# Altium PCB controllerboard 3.PcbDoc (continued)
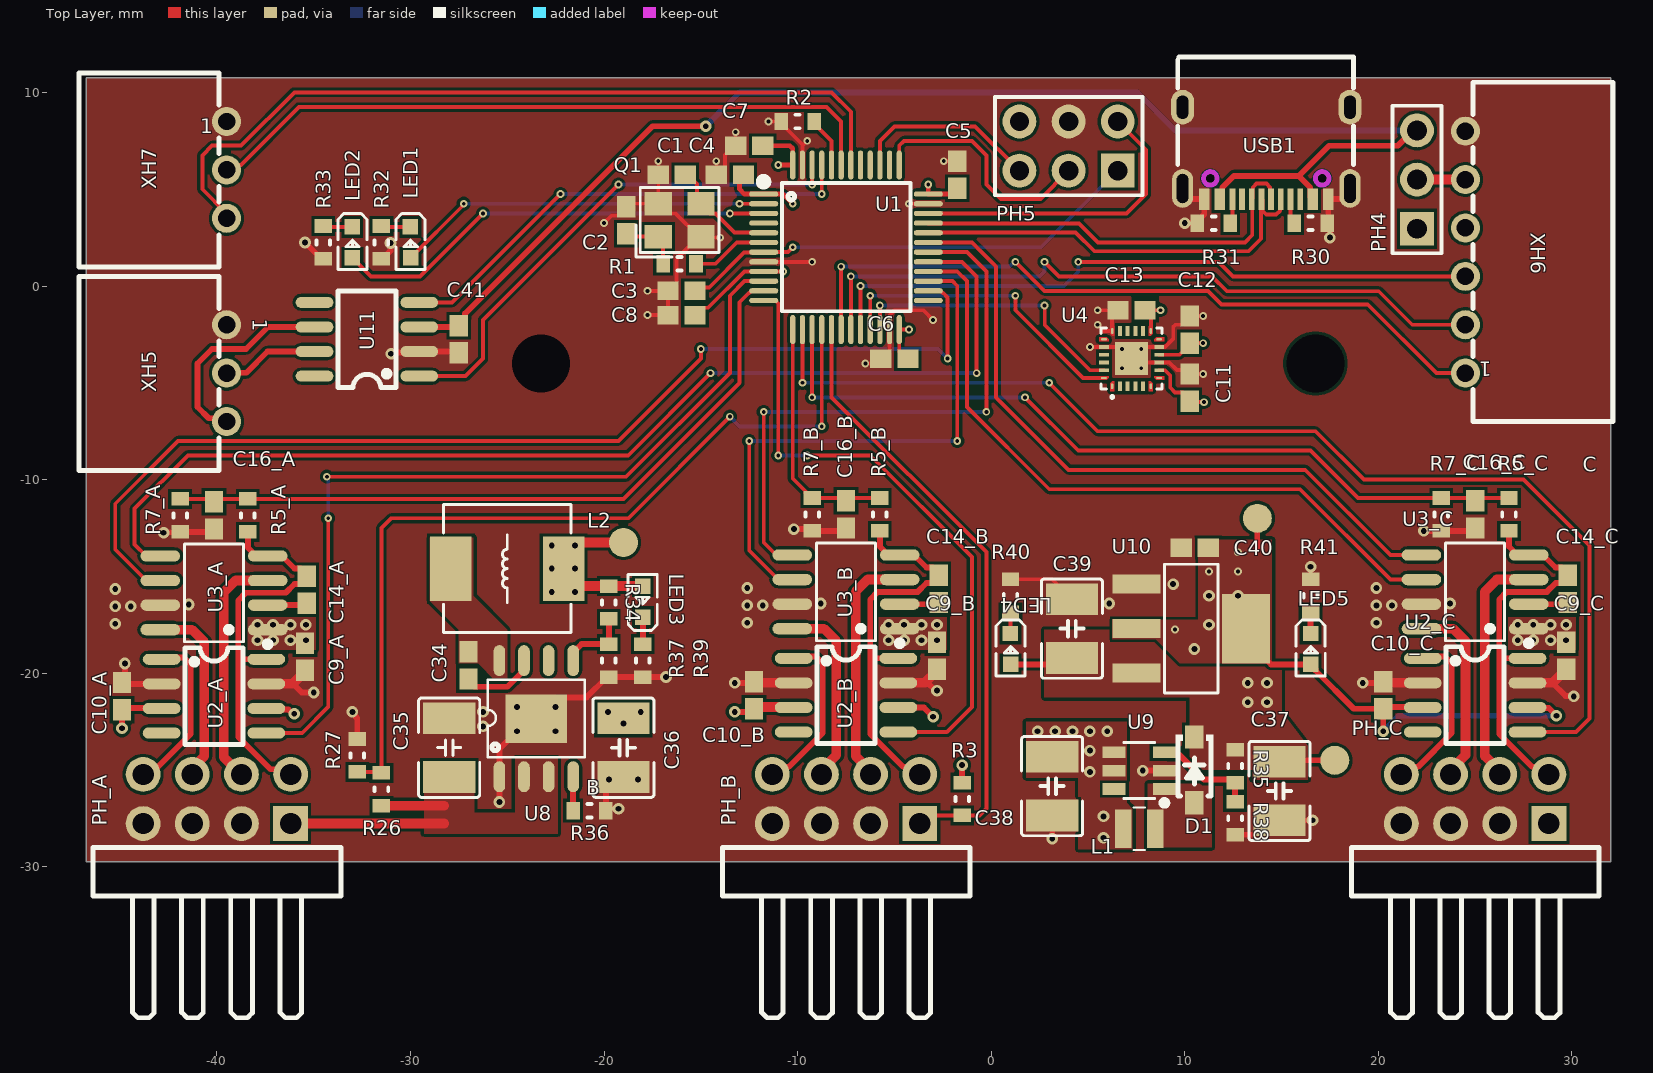
[diagram p0: Top Layer view]
## Footprints (in the part's own frame and the unit in brackets; to place one, negate y for a bottom-side part, rotate by r counter-clockwise, add the part's x,y. Pads: shape width x height; smd on the part's side, far side on the other; paste and mask are expansions set on the pad) (continued)
  oval 0.27x1.5 smd paste+0 mask+0.05: 1(-2.75,-4.25) 2(-2.25,-4.25) 3(-1.75,-4.25) 4(-1.25,-4.25) 5(-0.75,-4.25) 6(-0.25,-4.25) 7(0.25,-4.25) 8(0.75,-4.25) 9(1.25,-4.25) 10(1.75,-4.25) 11(2.25,-4.25) 12(2.75,-4.25) 25(2.75,4.25) 26(2.25,4.25) 27(1.75,4.25) 28(1.25,4.25) 29(0.75,4.25) 30(0.25,4.25) 31(-0.25,4.25) 32(-0.75,4.25) 33(-1.25,4.25) 34(-1.75,4.25) 35(-2.25,4.25) 36(-2.75,4.25)
  oval 1.5x0.27 smd paste+0 mask+0.05: 13(4.25,-2.75) 14(4.25,-2.25) 15(4.25,-1.75) 16(4.25,-1.25) 17(4.25,-0.75) 18(4.25,-0.25) 19(4.25,0.25) 20(4.25,0.75) 21(4.25,1.25) 22(4.25,1.75) 23(4.25,2.25) 24(4.25,2.75) 37(-4.25,2.75) 38(-4.25,2.25) 39(-4.25,1.75) 40(-4.25,1.25) 41(-4.25,0.75) 42(-4.25,0.25) 43(-4.25,-0.25) 44(-4.25,-0.75) 45(-4.25,-1.25) 46(-4.25,-1.75) 47(-4.25,-2.25) 48(-4.25,-2.75)
  silkscreen extent -3.59,-4.46 3.3,3.34, body extent -4.5,-4.5 4.5,4.5, height 1.45
TJA1050T/CM,118 [mil]
  oval 22.38x76.78 smd: 1(-75,-106.5) 2(-25,-106.5) 3(25,-106.5) 4(75,-106.5) 5(75,106.5) 6(25,106.5) 7(-25,106.5) 8(-75,106.5)
  silkscreen extent -98,-59 98,59, body extent -96,-120 96,120, height 71
UCC27282DR [mm] "Half Bridge 2 MOSFET 2.5A 12ns 10ns 5.5V~16V 3.5A SOIC-8 Gate Drivers ROHS"
  oval 0.588x2.045 smd: 1(-1.905,-2.772) 2(-0.635,-2.772) 3(0.635,-2.772) 4(1.905,-2.772) 5(1.905,2.772) 6(0.635,2.772) 7(-0.635,2.772) 8(-1.905,2.772)
  silkscreen extent -2.8,-2.92 2.53,1.52, body extent -2.45,-3.05 2.45,3.05, height 1.8
USB_C [mm] "TYPE-C 16PIN 2MD(073)"
  rect 0.55x1.1 smd paste-100 mask+0.05: 1(-2.912,3.511) 2(-2.112,3.511) 11(2.688,3.511) 12(3.488,3.511)
  rect 0.3x1.1 smd paste-100 mask+0.05: 3(-1.462,3.511) 4(-0.962,3.511) 5(-0.462,3.511) 6(0.038,3.511) 7(0.538,3.511) 8(1.038,3.511) 9(1.538,3.511) 10(2.038,3.511)
  oval 1.1x2 hole 0.6 slot 1.5 at 90 deg paste-2539.97 mask+0.05: 13(-4.037,2.961) 14(4.613,2.961)
  oval 1.2x1.8 hole 0.6 slot 1.2 at 90 deg paste-2539.97 mask+0.05: 13(-4.037,-1.239) 14(4.613,-1.239)
  Keep-Out Layer board cut-out: 3.528,2.441 3.479,2.613 3.351,2.739 3.178,2.784 3.005,2.739 2.877,2.613 2.828,2.441 2.828,2.441 2.877,2.268 3.005,2.143 3.178,2.097 3.351,2.143 3.479,2.268 3.528,2.441
  Keep-Out Layer board cut-out: -2.252,2.441 -2.301,2.613 -2.429,2.739 -2.602,2.784 -2.775,2.739 -2.903,2.613 -2.952,2.441 -2.952,2.441 -2.903,2.268 -2.775,2.143 -2.602,2.097 -2.429,2.143 -2.301,2.268 -2.252,2.441
  Multi-Layer keep-out circle w0.254: c3.178,2.441 r0.35
  Multi-Layer keep-out circle w0.254: c-2.602,2.441 r0.35
  silkscreen extent -4.21,-3.84 4.86,1.73, body extent -4.17,-3.82 4.77,3.76, height 0.51
WHITE_0603 [mm] "20mA 780mcd Yellow lens -20?~+85? Positive Stick White 130° 70mW 3.3V 0603 LED Indication - Discrete ROHS"
  rect 0.8x0.8 smd: 1(-0.799,-0.003) 2(0.799,0.003)
  silkscreen extent -1.49,-0.75 1.39,0.76, body extent -0.81,-0.4 0.81,0.41, height 0.61
XY-XHB2.54-3A21 [mm] "1x3P 3P 1 2.54mm 2.54mm 3 -25?~+85? 2A Bend-in Push-Pull,P=2.54mm Wire To Board Connector ROHS"
  round 1.5 hole 0.9 paste-2539.97 mask+0.05: 1(-2.5,0) 2(0,0) 3(2.5,0)
  silkscreen extent -5,-7.63 5.03,-0.38, body extent -5.01,-7.4 5,0.34, height 6.4
XY-XHB2.54-6A21 [mm] "1x6P 6P 1 2.54mm 2.54mm 6 -25?~+85? 2A Bend-in Push-Pull,P=2.54mm Wire To Board Connector ROHS"
  round 1.5 hole 0.9 paste-2539.97 mask+0.05: 1(-6.25,0) 2(-3.75,0) 3(-1.25,0) 4(1.25,0) 5(3.75,0)
  round 1.5 hole 0.9 copper offset 0,0 paste-2539.97 mask+0.05: 6(6.25,0)
  silkscreen extent -8.75,-7.63 8.78,-0.38, body extent -8.76,-7.4 8.75,0.34, height 6.4

## Part data
C1 C2 C3 C4 C5 C6 C7 C8 C9_A C9_B C9_C C10_A C10_B C10_C C11 C12 C13 C14_A C14_B C14_C C16_A C16_B C16_C C34 C40 C41: library part CAP_0603, "Multilayer Ceramic Capacitors MLCC - SMD/SMT ROHS", Package=0603
  C34: ClassName=DCDC100
  C40: ClassName=LINREG
C35: "100V 4.7uF X7R ±10% 1210 Multilayer Ceramic Capacitors MLCC - SMD/SMT ROHS", LCSC=C381466, Mfr.="PSA(Prosperity Dielectrics)", Mfr. Part=FS32X475K101EGG, Package=1210, Voltage Rating=100V, ClassName=DCDC100
C36 C37 C38 C39: library part CAP_1210, "16V 47uF X5R ±10% 1210 Multilayer Ceramic Capacitors MLCC - SMD/SMT ROHS", LCSC=C77101, Mfr.="Murata Electronics", Mfr. Part=GRM32ER61C476KE15L, Package=1210, Voltage Rating=16V
  C36: ClassName=DCDC100
  C37 C38: ClassName=DCDC5
  C39: ClassName=LINREG
D1: "30V 1A 350mV@100mA SOD-123 Schottky Diodes ROHS", LCSC=C917121, Mfr.=JSMSEMI, ClassName=DCDC5, Mfr. Part=NRVB130T1G
L1: "2A 4.7uH Integrated molded inductor ±20% 2.6A SMD,2x2.5mm Power Inductors ROHS", LCSC=C5832360, Mfr.="cjiang (Changjiang Microelectronics Tech)", Mfr. Part=FTC252010S4R7MBCA, Package=SMD,2x2.5mm, ClassName=DCDC5
L2: library part IND_68u, "1.5A 68uH Integrated molded inductor ±20% 2A SMD,6.6x7.1mm Power Inductors ROHS", LCSC=C2894721, Mfr.="SXN(Shun Xiang Nuo Elec)", Mfr. Part=SMMS0650-680M, Package=SMD,6.6x7.1mm, ClassName=DCDC100
LED1: "20mA 780mcd Yellow lens -20℃~+85℃ Positive Stick White 130° 70mW 3.3V 0603 LED Indication - Discrete ROHS", LCSC=C965810, Mfr.=XINGLIGHT, Mfr. Part=XL-1608WWC-06, Package=0603
LED2: "20mA 330mcd Colorless Transparent Lens -20℃~+85℃ Positive Stick 620nm~630nm Red 120° 50mW 2.3V 0603 LED Indication - Discrete ROHS", LCSC=C965799, Mfr.=XINGLIGHT, Mfr. Part=XL-1608SURC-06, Package=0603
LED3 LED4 LED5: "20mA 810mcd Colorless Transparent Lens Independent Diode 515nm~535nm -20℃~+85℃ Positive Stick Emerald 120° 70mW 3.3V 0603 LED Indication - Discrete ROHS", LCSC=C965804, Mfr.=XINGLIGHT, Mfr. Part=XL-1608UGC-04, Package=0603
PH4: library part PH_1x3, "2.54mm Pin Headers", LCSC=C49257, Mfr.="BOOMELE(Boom Precision Elec)", Mfr. Part=2.54-1*3P, Package=Plugin,P=2.54mm
PH5: "2.54mm Pin Headers"
PH_A PH_B PH_C: library part PH_2x4_M, "Policy 2.5mm 8P 6mm -40℃~+105℃ 2.54mm Double Row Black Brass 2x4P Push-Pull,P=2.54mm Pin Headers ROHS", LCSC=C7501618, Mfr.=XUNPU, Mfr. Part=PH2.54-07-04PWS
  PH_A: ClassName=A
  PH_B: ClassName=B
  PH_C: ClassName=C
Q1: "Crystal 24Mhz", LCSC=C70590, Manufacturer Part=X322524MOB4SI, ComponentLink1Description=Datasheet, ComponentLink1URL=https://www.lcsc.com/datasheet/lcsc_datasheet_2403291504_YXC-Crystal-Oscillators-X322524MOB4SI_C70590.pdf
R1 R2 R3 R5_A R5_B R5_C R7_A R7_B R7_C R26 R27 R30 R31 R32 R33 R34 R35 R36 R37 R38 R39 R40 R41: library part RES_0603, "100mW Thick Film Resistors", Package=0603
  R34 R36 R37: ClassName=DCDC100
  R35 R38: ClassName=DCDC5
U1: "Mainstream enhanced ARM Cortex-M3 MCU, featuring 128 KB Flash, 72 MHz CPU, motor control, USB, and CAN.", LCSC=C8304, Mfr.=STMicroelectronics, Mfr. Part=STM32F103CBT6
U2_A U2_B U2_C: "-4V~80V Single channel SOIC-8 Current Sense Amplifiers ROHS", LCSC=C2060769, Mfr.="Texas Instruments", Mfr. Part=INA240A1DR
U3_A U3_B U3_C: "Half Bridge 2 MOSFET 2.5A 12ns 10ns 5.5V~16V 3.5A SOIC-8 Gate Drivers ROHS", LCSC=C2867844, Mfr.="Texas Instruments", Mfr. Part=UCC27282DR
U4: "Accelerometer gyroscope QFN-24-EP(3x3) Accelerometers ROHS", LCSC=C50278, Mfr.="TDK InvenSense", Mfr. Part=MPU-6500
U8: "Step-down type 1A 6V~100V SO-8-EP DC-DC Converters ROHS", LCSC=C477928, Mfr.="Texas Instruments", ClassName=DCDC100, Mfr. Part=LM5164DDAR
U9: "2.2V~16V 2.5A SOT-23-6 DC-DC Converters ROHS", LCSC=C2932326, Mfr.="XI'AN Aerosemi Tech", ClassName=DCDC5, Mfr. Part=MT3608L
U10: "1A 60dB@(120Hz) Fixed 3.3V Positive electrode 12V SOT-223 Voltage Regulators - Linear, Low Drop Out (LDO) Regulators ROHS", LCSC=C347222, Mfr.="UMW(Youtai Semiconductor Co., Ltd.)", ClassName=LINREG, Mfr. Part=AMS1117-3.3
U11: "SOP-8 CAN Transceivers ROHS", LCSC=C6952, Mfr.="NXP Semicon", Mfr. Part=TJA1050T/CM,118
USB1: LCSC=C2765186, Mfr.="SHOU HAN", Mfr. Part="TYPE-C 16PIN 2MD(073)", Package=SMD
XH5 XH7: library part XY-XHB2.54-3A21, "1x3P 3P 1 2.54mm 2.54mm 3 -25℃~+85℃ 2A Bend-in Push-Pull,P=2.54mm Wire To Board Connector ROHS", LCSC=C19271396, Mfr.=XYECONN, Mfr. Part=XY-XHB2.54-3A21
XH6: library part XY-XHB2.54-6A21, "1x6P 6P 1 2.54mm 2.54mm 6 -25℃~+85℃ 2A Bend-in Push-Pull,P=2.54mm Wire To Board Connector ROHS", LCSC=C19271399, Mfr.=XYECONN, Mfr. Part=XY-XHB2.54-6A21

## Free pads (board coordinates)
  round 1.5 smd: 1(-19,-13.25) 10(17.75,-24.5) 11(13.75,-12)
  round 0 hole 3: MH(-23.25,-4) MH(16.75,-4)

## Via types
v1: diameter 0.6, hole 0.3, Top Layer to Bottom Layer, 105 vias
v2: diameter 0.4, hole 0.2, Top Layer to Bottom Layer, 72 vias

## Nets (pads, with @x,y where several pads share a name; then routed paths per layer and width w, separated by ;. In a path a pad name is that pad's centre, name@x,y a point inside that pad or via, vN(x,y) a via of type N, cw(c..) or ccw(c..) an arc to the next point about the centre after c; other vN are vias at no path point)
+3V3: C4.2 C5.2 C6.2 C7.2 C8.2 C10_A.2 C10_B.2 C10_C.2 C11.2 C12.2 C13.2 C40.2 LED5.2 pad.11 PH4.1 PH5.6 R3.2 U1.1 U1.9 U1.24 U1.36 U1.48 U2_A.3 U2_A.6 U2_B.3 U2_B.6 U2_C.3 U2_C.6 U4.8 U4.10 U4.13 U10.2 U10.4 | length 59.2
  Top Layer w0.2: C8.2 -14.925,-1.125 -14.625,-1.125 -12.75,0.75 U1.9 v2(-10.75,0.75) ; U1.24 -4.75,-3.375 -4.375,-3.75 C6.2 ; U1.24 v2(-4.25,-2.25) ; C13.2 v2(8.75,-1.25) ; U4.13 C13.2@8.25,-1.55 ; U4.8 8.983,-4.35 9.25,-4.617 9.25,-5.25 9.5,-5.5 9.899,-5.5 10.3,-5.901 C11.2@10.341,-5.901 ; U4.10 9.725,-3.55 10.25,-3.025 C12.2 v2(10.95,-2.95) ; C11.2 10.3,-6 v2(11,-6)
  Top Layer w0.25: C4.2@-13,5.8 -13,5 -12.75,4.75 U1.1 -10.75,4.75 v2(-10.25,4.25) ; C7.2@-12.127,7.25 -10.396,7.25 -10.25,7.104 U1.48 v2(-11,6.25) ; v2(-3.25,5.25) U1.36 C5.2@-2.05,4.75
  Top Layer w0.3: v1(-44.9,-22.85) C10_A.2 ; C10_A.2@-44.9,-21.8 -43.587,-21.8 -43.578,-21.809 -42.887,-21.809 U2_A.3@-42.877,-21.8 ; U2_A.6 -37.394,-21.874 -36.308,-21.874 -36.081,-22.1 v1(-36,-22.1) ; v1(-13.25,-22) -12.413,-22 C10_B.2 ; U2_B.6 -3.478,-21.772 v1(-3,-22.25) ; R3.2 v1(-1.5,-24.75) ; U10.4@13.17,-18.265 14.454,-19.549 LED5.2 16.754,-19.799 16.754,-19.858 18.732,-21.837 C10_C.2 v1(20.25,-23) ; 13.75,-13.5 pad.11 ; C10_C.2@20.25,-21.75 21.563,-21.75 21.572,-21.759 22.263,-21.759 U2_C.3@22.273,-21.75 ; U2_C.6 27.736,-21.803 28.803,-21.803 v1(29.2,-22.2)
  Top Layer w0.5: C10_B.2@-12.25,-21.75 -10.937,-21.75 -10.928,-21.759 -10.237,-21.759 U2_B.3@-10.227,-21.75
  Bottom Layer w0.3: v1(20.25,-23) 21.05,-22.2 v1(29.2,-22.2)
  other v1: 10.5,-18.75 11.25,-17.5 11.25,-16 12.75,-16
  other v2: 9.5,-17.75 11.25,-14.75 12.75,-14.75 12.75,-13.75
+5V: C37.2 C39.2 C41.2 D1.1 LED4.2 pad.10 PH4.3 R35.2 U10.3 U11.3 USB1.2 USB1.11 | length 76.4
  Top Layer w0.3: U11.3 C41.2@-27.565,-2.115 ; C41.2 -27.175,-1.725 -27.175,-1.425 -17.5,8.25 v1(-14.75,8.25) ; LED4.2 C39.2@3.838,-19.549 ; USB1.11 11.937,4.614 11.937,5.088 12.538,5.689 15.886,5.689 ; C37.2 14.967,-24.5 pad.10 ; USB1.2@16.487,4.614 16.487,5.088 15.886,5.689 ; PH4.3 21.79,8.04 21,7.25 17.447,7.25 15.886,5.689
  Bottom Layer w0.3: v1(-14.75,8.25) -13,10 7.553,10 9.514,8.039 PH4.3@21.999,8.039
  other v1: 13.25,-21.5 14.25,-21.5 13.25,-20.5 14.25,-20.5
+12V: C9_A.1 C9_B.1 C9_C.1 C36.2 C38.2 L1.1 L2.2 LED3.2 pad.1 R34.2 U3_A.1 U3_B.1 U3_C.1 U9.4 U9.5 | length 7.9
  Top Layer w0.5: L2.2@-22.087,-14.675 -21.262,-15.5 R34.2 LED3.2 ; L2.2@-22.087,-14.075 -21.262,-13.25 pad.1
  other v1: 5.8,-28.5 5.8,-27.4 5.1,-25.1 5.1,-24 2.4,-23 3.3,-23 4.2,-23 5.1,-23 6,-23 -19,-22.6 -19.8,-22 -18.1,-22 -37.9,-18.3 -37.1,-18.3 -36.2,-18.3 -35.4,-18.3 -5.3,-18.3 -4.5,-18.3 -3.6,-18.3 -2.8,-18.3 27.2,-18.3 28,-18.3 28.9,-18.3 29.7,-18.3 -37.9,-17.5 -37.1,-17.5 -36.2,-17.5 -35.4,-17.5 -5.3,-17.5 -4.5,-17.5 -3.6,-17.5 -2.8,-17.5 27.2,-17.5 28,-17.5 28.9,-17.5 29.7,-17.5 -22.7,-15.8 -21.5,-15.8 -22.7,-14.6 -21.5,-14.6 -22.7,-13.4 -21.5,-13.4
+100V: C35.2 PH_A.1 R26.2 U8.2 U8.3 | length 11.2
  Top Layer w0.5: PH_A.1 -28.25,-27.77 ; R26.2 -28.25,-26.85
BOOT0: R2.2 U1.44 | length 2.5
  Top Layer w0.2: R2.2@-9.15,8.4 -8.25,7.5 U1.44
BST: C34.1 U8.7 | length 3.4
  Top Layer w0.3: C34.1 -27,-20.375 -26.675,-20.7 -24.985,-20.7 U8.7@-24.136,-19.85
CAN_RXD: U1.45 U11.4 | length 24.6
  Top Layer w0.2: U11.4 -27.845,-0.845 v2(-22.25,4.75) ; v2(-8.75,4.75) U1.45
  Bottom Layer w0.2: v2(-22.25,4.75) v2(-8.75,4.75)
CAN_TXD: U1.46 U11.1 | length 26.6
  Top Layer w0.2: U11.1 -27.155,-4.655 -26.25,-3.75 -26.25,-1.75 v2(-19.25,5.25) ; v2(-9.25,5.25) U1.46
  Bottom Layer w0.2: v2(-19.25,5.25) v2(-9.25,5.25)
CANH: U11.6 XH5.3 | length 10.9
  Top Layer w0.3: XH5.3 -39.673,-6.827 -40.423,-6.827 -41,-6.25 -41,-4 -40.25,-3.25 -38.5,-3.25 -37.365,-2.115 U11.6
CANL: U11.7 XH5.2 | length 5
  Top Layer w0.3: XH5.2 -39.476,-4.476 -38.476,-4.476 -37.385,-3.385 U11.7
CC1: R30.1 USB1.4 | length 1.3
  Top Layer w0.2: USB1.4 15.462,3.438 R30.1
CC2: R31.1 USB1.10 | length 1.3
  Top Layer w0.2: R31.1 12.462,3.362 USB1.10
CURR_A: U1.10 U2_A.5 | length 44.8
  Top Layer w0.2: U2_A.5 -35.592,-23.092 -34.25,-21.75 v2(-34.25,-12) ; v2(-34.32,-9.85) -18.85,-9.85 -13.5,-4.5 -13.5,-0.5 -12.75,0.25 U1.10
  Bottom Layer w0.2: v2(-34.32,-9.85) -34.32,-9.904 -34.25,-9.974 v2(-34.25,-12)
CURR_B: U1.12 U2_B.5 | length 32.9
  Top Layer w0.2: U1.12 -11.152,-0.75 -11,-0.902 v2(-11,-8.75) ; v2(-9.5,-8.75) -6.25,-8.75 -1,-14 -1,-21.75 -2.292,-23.042 U2_B.5
  Bottom Layer w0.2: v2(-11,-8.75) v2(-9.5,-8.75)
CURR_C: U1.14 U2_C.5 | length 59.3
  Top Layer w0.2: v2(-9.75,-5) U1.14 ; v2(3,-5) 5.5,-7.5 16.75,-7.5 19.25,-10 27.5,-10 30.9,-13.4 30.9,-22.35 30.208,-23.042 U2_C.5
  Bottom Layer w0.2: v2(-9.75,-5) v2(3,-5)
FB_1: R34.1 R37.2 U8.5 | length 3.8
  Top Layer w0.3: U8.5 -21.596,-18.846 -21.51,-18.846 -21.164,-18.5 R37.2 R34.1
FB_2: R35.1 R38.2 U9.3 | length 5.3
  Top Layer w0.3: U9.3 9.1,-24.235 9.735,-24.235 11,-25.5 12.45,-25.5 R35.1 R38.2
GND: C1.1 C2.1 C3.1 C4.1 C5.1 C6.1 C7.1 C8.1 C9_A.2 C9_B.2 C9_C.2 C10_A.1 C10_B.1 C10_C.1 C11.1 C12.1 C13.1 C16_A.1 C16_B.1 C16_C.1 C35.1 C36.1 C37.1 C38.1 C39.1 C40.1 C41.1 pad.MH@-23.25,-4 PH5.4 PH_A.3 PH_A.5 PH_A.7 PH_B.3 PH_B.5 PH_B.7 PH_C.1 PH_C.3 PH_C.5 PH_C.7 Q1.2 Q1.4 R2.1 R7_A.1 R7_B.1 R7_C.1 R27.1 R30.2 R31.2 R32.1 R33.1 R36.1 R37.1 R38.1 R39.1 R40.1 R41.1 U1.8 U1.23 U1.35 U1.47 U2_A.2 U2_A.7 U2_B.2 U2_B.7 U2_C.2 U2_C.7 U3_A.7 U3_B.7 U3_C.7 U4.9 U4.11 U4.18 U4.20 U4.25 U8.1 U8.9 U9.2 U10.1 U11.2 USB1.1 USB1.12 USB1.13 USB1.14 XH5.1 XH6.6 XH7.1 | length 112.2
  Top Layer w0.2: v2(-20,3.25) -19.6,3.65 -19.225,3.65 -18.85,4.025 C2.1 ; C2.1@-18.7,4.25 Q1.4 ; v2(-17.75,-1.5) C8.1 C3.1 ; v2(-17.75,-0.25) C3.1 ; v2(-17.2,6.45) C1.1 Q1.4 ; v2(-14.2,6.45) C4.1 -14.125,5.75 -13.75,6.125 -13.75,6.775 C7.1@-13.275,7.25 ; v2(-14,2.5) -14.95,2.5 Q1.2 Q1.2@-15.1,2.55 ; C7.1 v2(-13.2,7.95) ; U1.8 v2(-9.25,1.25) ; v2(-11.5,8.5) R2.1 -10.85,8.4 -10.6,8.15 -9.75,7.3 ; U1.47 -9.75,7.3 ; v2(-9.5,7.5) -9.7,7.3 -9.75,7.3 ; v2(-6.5,-4) -5.95,-4 C6.1 -5.625,-3.75 -5.25,-3.375 U1.23 -5.237,-2.236 -5.237,-1.487 -5,-1.25 -3.5,-1.25 v2(-3,-1.75) ; v2@-4.25,4.25 U1.35 ; v2(-2.45,6.45) C5.1 ; R40.1 3.137,-15.15 C39.1 ; v2(5.1,-3.15) U4.20 U4.25@6.65,-3.15 ; v2(5.5,-2) 5.823,-2.323 U4.18 C13.1@6.25,-1.55 ; v2(5.5,-1.25) C13.1 ; U4.25@7.45,-3.95 U4.9 9.2,-3.95 9.592,-4.342 10.042,-4.342 C11.1 v2(10.95,-4.55) ; U4.25@7.85,-3.15 U4.11 8.984,-3.15 9.402,-2.731 9.402,-2.117 9.52,-2 9.875,-2 C12.1@10.25,-1.625 ; C12.1 v2(10.95,-1.55) ; Q1.4 -16.7,3.75 -16.3,3.75 Q1.2@-15.1,2.55 ; C3.1 -16.625,-0.25 -16.25,0.125 -16.25,1.4 Q1.2@-15.1,2.55
  Top Layer w0.3: C10_A.1@-44.75,-20.337 v1(-44.75,-19.5) ; C10_A.1@-44.748,-20.552 U2_A.2 ; v1(-42.75,-12.75) -42.725,-12.725 -41.925,-12.725 R7_A.1 C16_A.1@-40.3,-12.7 ; -36.064,-20.552 -35.616,-21 v1(-35,-21) ; v1(-35.45,2.25) -34.6,1.4 R33.1 ; v1(-33,-22) -33,-22.081 -32.75,-22.331 R27.1 ; R32.1 -31.4,1.4 -31.2,1.6 -31.2,1.65 -31.03,1.82 v1(-31.03,2.22) ; v1(-31,-3.5) -30.919,-3.5 -30.855,-3.436 -29.596,-3.436 U11.2 C41.1@-27.565,-3.385 ; v1(-25.406,-26.656) U8.1 -25.406,-23.905 v1(-24.5,-23) ; U8.9@-23.351,-22.5 U8.9 -22.401,-21.25 -20.9,-21.25 -19.85,-20.2 R37.1 R39.1 v1(-16.8,-20.2) ; v1(-19.25,-27) -19.8,-27 R36.1 -19.9,-26.035 -19.233,-25.367 C36.1 ; v1(-13.25,-20.5) -12.313,-20.5 C10_B.1 ; v1(-10.193,-12.557) -9.343,-12.557 R7_B.1 C16_B.1@-7.65,-12.65 ; -3.292,-20.489 -2.881,-20.9 v1(-2.8,-20.9) ; C38.1 3.152,-27.352 v1(3.152,-28.552) ; v1(7.835,-25.035) U9.2 ; USB1.14@9.887,5.039 9.887,4.905 10.303,4.489 USB1.12 11.012,3.712 10.65,3.35 R31.2 v1(10,3.25) ; R38.1 13.62,-28.35 14.367,-27.602 C37.1 v1(16.598,-27.602) ; R41.1 v1(16.5,-14.5) ; v1(17.5,2.5) 17.5,3.1 R30.2 17.412,3.312 USB1.1 18.121,4.489 18.537,4.905 USB1.13@18.537,5.039 ; v1(19.2,-20.5) C10_C.1@20.187,-20.5 ; U3_C.7@22.21,-16.417 U3_C.7 ; v1(22.35,-12.65) R7_C.1 24.85,-12.65 C16_C.1 ; 28.998,-20.502 29.667,-21.172 30.072,-21.172 v1(30.1,-21.2) ; C9_C.2@29.8,-19.7 C9_C.2@29.9,-19.8
  Top Layer w0.5: C10_A.1 C10_A.1@-44.75,-20.337 ; C10_A.1@-44.9,-20.4 C10_A.1@-44.856,-20.444 ; U2_A.7 -37.432,-20.539 -36.064,-20.539 C9_A.2@-35.45,-19.925 ; C10_B.1@-12.098,-20.502 U2_B.2 ; U2_B.7 -4.782,-20.489 -3.414,-20.489 C9_B.2@-2.8,-19.875 ; C10_C.1@20.187,-20.5 C10_C.1 ; C10_C.1@20.402,-20.502 U2_C.2 ; U2_C.7 28.998,-20.502 C9_C.2
  other v1: -19.75,-25.5 -18.25,-25.5 -22.5,-23 -26.25,-22.75 -26.25,-22 -24.5,-21.75 -22.5,-21.75 -45.25,-17.45 -12.6,-17.4 19.9,-17.4 -45.25,-16.55 -44.45,-16.55 -12.6,-16.5 -11.8,-16.5 19.9,-16.5 20.7,-16.5 -41.45,-16.45 -8.8,-16.4 6.1,-16.4 23.7,-16.4 -45.25,-15.65 -12.6,-15.6 19.9,-15.6 9.4,-15.4
  other v2: 6.75,-4.25 7.75,-4.25 6.75,-3.25 7.75,-3.25 -4.25,4.25
HB_A: C14_A.2 U3_A.2 | length 2.1
  Top Layer w0.3: U3_A.2 -35.445,-16.485 C14_A.2
HB_B: C14_B.2 U3_B.2 | length 2.1
  Top Layer w0.3: U3_B.2 -2.795,-16.435 C14_B.2
HB_C: C14_C.2 U3_C.2 | length 1.9
  Top Layer w0.3: U3_C.2 C14_C.2@29.705,-16.435
HG_A: PH_A.4 U3_A.3 | length 12.4
  Top Layer w0.5: PH_A.4@-38.9,-25.437 -38.9,-25.086 -39.65,-24.336 -39.65,-15.837 -39.028,-15.215 U3_A.3
HG_B: PH_B.4 U3_B.3 | length 12.4
  Top Layer w0.5: PH_B.4@-6.25,-25.387 -6.25,-25.036 -7,-24.286 -7,-15.787 -6.378,-15.165 U3_B.3
HG_C: PH_C.4 U3_C.3 | length 12.4
  Top Layer w0.5: PH_C.4@26.25,-25.387 26.25,-25.036 25.5,-24.286 25.5,-15.787 26.122,-15.165 U3_C.3
HIGH_A: U1.29 U3_A.5 | length 57.6
  Top Layer w0.2: U3_A.5 -43.651,-13.945 -44.25,-13.346 -44.25,-11.5 -41.5,-8.75 -18.75,-8.75 v2(-14.5,-4.5) ; U1.29 -1.5,1.25 -0.75,0.5 v2(-0.75,-4.5)
  Bottom Layer w0.2: v2(-14.5,-4.5) v2(-0.75,-4.5)
HIGH_B: U1.30 U3_B.5 | length 30.2
  Top Layer w0.2: v2(-11.75,-6.5) -11.75,-13.25 -11.105,-13.895 U3_B.5@-10.722,-13.895 ; U1.30 -1.25,1.75 -0.25,0.75 v2(-0.25,-6.5)
  Bottom Layer w0.2: v2(-11.75,-6.5) v2(-0.25,-6.5)
HIGH_C: U1.31 U3_C.5 | length 36.1
  Top Layer w0.2: U1.31 -1,2.25 0.25,1 0.25,-5.75 4,-9.5 16.226,-9.5 20.621,-13.895 U3_C.5
LG_A: PH_A.6 U3_A.8 | length 9.6
  Top Layer w0.5: U3_A.8 -41.295,-17.755 -40.65,-18.4 -40.65,-24.277 -41.375,-25.002 PH_A.6@-41.375,-25.175
LG_B: PH_B.6 U3_B.8 | length 9.6
  Top Layer w0.5: U3_B.8 -8.645,-17.705 -8,-18.35 -8,-24.227 -8.725,-24.952 PH_B.6@-8.725,-25.125
LG_C: PH_C.6 U3_C.8 | length 9.6
  Top Layer w0.5: U3_C.8 23.855,-17.705 24.5,-18.35 24.5,-24.227 23.775,-24.952 PH_C.6@23.775,-25.125
LOW_A: U1.26 U3_A.6 | length 55.7
  Top Layer w0.2: U3_A.6@-43.651,-15.215 -45.25,-13.616 -45.25,-11.25 -42,-8 -39.914,-8 -39.086,-8 -19.25,-8 -15,-3.75 v2(-15,-3.25) ; U1.26 -2.616,-0.25 -2.501,-0.365 -2.476,-0.365 -2.25,-0.591 v2(-2.25,-3.75)
  Bottom Layer w0.2: v2(-15,-3.25) -2.75,-3.25 v2(-2.25,-3.75)
LOW_B: U1.27 U3_B.6 | length 28.1
  Top Layer w0.2: v2(-12.5,-8) -12.5,-13.666 U3_B.6@-11.001,-15.165 ; U1.27 -2,0.25 -1.75,0 v2(-1.75,-8)
  Bottom Layer w0.2: v2(-12.5,-8) v2(-1.75,-8)
LOW_C: U1.28 U3_C.6 | length 35.9
  Top Layer w0.2: U1.28 -1.75,0.75 -1.25,0.25 -1.25,-6.25 3,-10.5 15.956,-10.5 20.621,-15.165 U3_C.6
MCU_OSC_IN: C1.2 Q1.3 U1.5 | length 5.3
  Top Layer w0.2: C1.2@-15.65,5.65 -15.575,5.65 -15.2,5.275 Q1.3@-15.2,4.45 ; Q1.3 -14.5,3.75 -14.25,3.75 -13.264,2.764 -11.763,2.764 U1.5
MCU_OSC_OUT: R1.2 U1.6 | length 4
  Top Layer w0.2: R1.2 -14.242,1.15 -13.142,2.25 U1.6
NetC2_2: C2.2 Q1.1 R1.1 | length 3
  Top Layer w0.2: C2.2@-18.7,2.55 Q1.1 -16.95,2.3 R1.1
NetLED1_1: LED1.1 R32.2 | length 1.4
  Top Layer w0.2: R32.2@-31.449,3.049 LED1.1
NetLED1_2: LED1.2 U1.2 | length 19.4
  Top Layer w0.2: LED1.2 -27.25,4.197 v2(-27.25,4.25) ; v2(-13,4.25) U1.2
  Bottom Layer w0.2: v2(-27.25,4.25) v2(-13,4.25)
NetLED2_1: LED2.1 R33.2 | length 1.4
  Top Layer w0.2: R33.2@-34.45,3.05 LED2.1
NetLED2_2: LED2.2 U1.3 | length 23
  Top Layer w0.2: LED2.2 -32.046,0.5 -29.5,0.5 v2(-26.25,3.75) ; v2(-13.5,3.75) U1.3
  Bottom Layer w0.2: v2(-26.25,3.75) v2(-13.5,3.75)
NetLED3_1: LED3.1 R39.2 | length 1.4
  Top Layer w0.3: R39.2@-17.993,-18.493 LED3.1
NetLED4_1: LED4.1 R40.2 | length 1.1
  Top Layer w0.2: LED4.1 R40.2@0.996,-16.854
NetLED5_1: LED5.1 R41.2 | length 1.1
  Top Layer w0.3: LED5.1 R41.2@16.496,-16.854
NetPH4_2: PH4.2 XH6.5 | length 2.5
  Top Layer w0.5: PH4.2 XH6.5
NetR26_1: R26.1 R27.2 U1.16 | length 44.1
  Top Layer w0.2: R27.2 R26.1@-31.55,-25.1 ; R26.1@-31.5,-25.1 -31.5,-12.5 -31,-12 -18.75,-12 v2(-13.5,-6.75) ; v2(-8.75,-7.25) U1.16
  Bottom Layer w0.2: v2(-13.5,-6.75) -13,-7.25 v2(-8.75,-7.25)
NetU1_18: U1.18 XH6.1 | length 38
  Top Layer w0.2: U1.18 v2(-7.75,1) ; v2(1.25,1.25) 2.75,-0.25 11.198,-0.25 11.899,-0.951 19.451,-0.951 23,-4.5 XH6.1
  Bottom Layer w0.2: v2(-7.75,1) 0.946,1 1.196,1.25 v2(1.25,1.25)
NetU1_19: U1.19 XH6.2 | length 36.4
  Top Layer w0.2: U1.19 v2(-7.25,0.5) ; v2(2.75,1.25) 3.5,0.5 11.41,0.5 12.181,-0.271 20.021,-0.271 21.75,-2 XH6.2
  Bottom Layer w0.2: v2(-7.25,0.5) 2.5,0.5 2.75,0.75 v2(2.75,1.25)
NetU1_20: U1.20 XH6.3 | length 34.6
  Top Layer w0.2: U1.20 v2(-6.75,0) ; v2(4.5,1.25) 11.75,1.25 12.5,0.5 XH6.3
  Bottom Layer w0.2: v2(-6.75,0) 3.75,0 4.5,0.75 v2(4.5,1.25)
NetU1_21: U1.21 U4.24 | length 15.9
  Top Layer w0.2: U1.21 v2@-6.25,-0.5 ; v2(1.25,-0.5) 1.25,-1.25 4.75,-4.75 U4.24@5.739,-4.75
  Bottom Layer w0.2: v2(-6.25,-0.5) v2(1.25,-0.5)
NetU1_22: U1.22 U4.23 | length 14.8
  Top Layer w0.2: U1.22 v2(-5.75,-1) ; v2(2.75,-1) 2.765,-1.015 2.765,-2.015 5.1,-4.35 U4.23
  Bottom Layer w0.2: v2(-5.75,-1) v2(2.75,-1)
NetU1_42: U1.42 XH7.3 | length 41.8
  Top Layer w0.2: XH7.3 -39.5,3.75 -40.75,5 -40.75,6.75 -40.25,7.25 -38.75,7.25 -36,10 -8.25,10 -7.25,9 U1.42
NetU1_43: U1.43 XH7.2 | length 35.7
  Top Layer w0.2: XH7.2 -39.251,6.249 -38.751,6.249 -35.75,9.25 -8.5,9.25 -7.75,8.5 U1.43
NRST: C3.2 PH5.1 U1.7 | length 24.4
  Top Layer w0.2: C3.2 -15.117,-0.067 -14.567,-0.067 -12.763,1.737 U1.7@-11.763,1.737 ; U1.7 -10.5,1.75 v2(-10.25,2)
  Bottom Layer w0.2: v2(-10.25,2) 2.58,2 PH5.1
NTC: PH_B.1 R3.1 U1.17 | length 31.3
  Top Layer w0.2: U1.17 -8.25,-5.75 -0.25,-13.75 -0.25,-27 -0.6,-27.35 R3.1 ; PH_B.1@-3.27,-27.35 R3.1@-1.4,-27.35
PH_A: PH_A.8 U2_A.1 | length 8.8
  Top Layer w0.3: PH_A.8@-43.98,-25.437 -43.423,-24.88 -43.093,-24.88 -41.355,-23.142 -41.355,-19.55 -41.71,-19.195 U2_A.1@-42.855,-19.195
PH_B: PH_B.8 U2_B.1 | length 8.8
  Top Layer w0.3: PH_B.8@-11.33,-25.387 -10.773,-24.83 -10.443,-24.83 -8.705,-23.092 -8.705,-19.5 -9.06,-19.145 U2_B.1@-10.205,-19.145
PH_C: PH_C.8 U2_C.1 | length 8.8
  Top Layer w0.3: PH_C.8@21.17,-25.387 21.727,-24.83 22.057,-24.83 23.795,-23.092 23.795,-19.5 23.44,-19.145 U2_C.1@22.295,-19.145
RON: R36.2 U8.4 | length 1.7
  Top Layer w0.3: R36.2@-21.598,-27.098 -21.598,-25.352 U8.4
SH_A: C14_A.1 PH_A.2 R5_A.2 U2_A.8 U3_A.4 | length 20.4
  Top Layer w0.3: R5_A.2 -38.4,-13.512 -38.161,-13.751 -38.161,-13.812 -38.028,-13.945 -36.642,-13.945 -35.992,-14.595 -35.68,-14.595 -35.355,-14.92 -35.355,-15.07 -35.68,-15.395 -35.989,-15.395 -36.444,-15.85 -38.51,-15.85 -38.9,-16.24 -38.9,-19.1 ; U2_A.8 -38.718,-19.282 -38.9,-19.1 ; PH_A.2@-36.545,-25.175 -36.755,-24.965 -37.235,-24.965 -38.9,-23.3 -38.9,-19.1
SH_B: C14_B.1 PH_B.2 R5_B.2 U2_B.8 U3_B.4 | length 20.3
  Top Layer w0.3: R5_B.2 -5.75,-13.462 -5.511,-13.701 -5.511,-13.762 -5.378,-13.895 -3.992,-13.895 -3.342,-14.545 -3.03,-14.545 -2.705,-14.87 -2.705,-15.02 -3.03,-15.345 -3.339,-15.345 -3.794,-15.8 -5.86,-15.8 -6.25,-16.19 -6.25,-19.05 ; U2_B.8 -6.068,-19.232 -6.25,-19.05 ; PH_B.2@-3.895,-25.125 -4.19,-24.83 -4.557,-24.83 -6.25,-23.137 -6.25,-19.05
SH_C: C14_C.1 PH_C.2 R5_C.2 U2_C.8 U3_C.4 | length 20.3
  Top Layer w0.3: R5_C.2 26.75,-13.462 26.989,-13.701 26.989,-13.762 27.122,-13.895 28.508,-13.895 29.158,-14.545 29.47,-14.545 29.795,-14.87 29.795,-15.02 29.47,-15.345 29.161,-15.345 28.706,-15.8 26.64,-15.8 26.25,-16.19 26.25,-19.05 ; U2_C.8 26.432,-19.232 26.25,-19.05 ; PH_C.2@28.605,-25.125 28.31,-24.83 27.943,-24.83 26.25,-23.137 26.25,-19.05
SW_1: C34.2 L2.1 U8.8
SW_2: D1.2 L1.2 U9.1
SWCLK: PH5.3 U1.37 | length 12.6
  Top Layer w0.2: U1.37 -4.75,7.25 -4.5,7.5 -1,7.5 -0.25,6.75 -0.25,5.25 0.5,4.5 2.54,4.5 PH5.3
SWDIO: PH5.2 U1.34 | length 16
  Top Layer w0.2: U1.34 7,3.75 8,4.75 8,7.04 PH5.2
SWO: PH5.5 U1.39 | length 9.7
  Top Layer w0.2: U1.39 -5.75,7.5 -5,8.25 -0.83,8.25 PH5.5
USB_N: U1.32 USB1.5 USB1.7 | length 21.6
  Top Layer w0.2: U1.32 -3.237,2.764 -2.572,2.764 -2.563,2.773 4.352,2.773 5.329,1.796 13.296,1.796 13.939,2.439 13.939,3.886 ; USB1.7 14.012,4.439 14.012,3.886 14.209,3.689 14.716,3.689 14.912,3.885 14.912,4.439 USB1.5
USB_P: U1.33 USB1.6 USB1.8 | length 21.5
  Top Layer w0.2: U1.33 -3.237,3.237 -2.572,3.237 -2.563,3.227 4.54,3.227 5.517,2.25 13.108,2.25 13.485,2.627 13.485,3.886 13.485,4.466 USB1.8 13.512,4.539 13.512,5.093 13.708,5.289 14.216,5.289 14.412,5.093 14.412,4.539 USB1.6
VOLT_A: C16_A.2 R5_A.1 R7_A.2 U1.11 | length 36.9
  Top Layer w0.2: R7_A.2 -40.3,-11 C16_A.2 ; C16_A.2@-40,-11 R5_A.1 ; R5_A.1@-38.3,-11 -19,-11 -13,-5 -13,-0.841 -12.524,-0.365 -12.499,-0.365 -12.384,-0.25 U1.11
VOLT_B: C16_B.2 R5_B.1 R7_B.2 U1.13 | length 12.5
  Top Layer w0.2: U1.13 -10.25,-9.95 -9.6,-10.6 -9.6,-10.7 R7_B.2@-9.35,-10.95 ; R7_B.2 -7.65,-10.95 C16_B.2 ; C16_B.2@-7.35,-10.95 R5_B.1
VOLT_C: C16_C.2 R5_C.1 R7_C.2 U1.15 | length 41.6
  Top Layer w0.2: v2(-9.25,-5.75) U1.15 ; v2(1.75,-5.75) 4.5,-8.5 16.5,-8.5 18.95,-10.95 24.85,-10.95 C16_C.2 ; C16_C.2@25.15,-10.95 R5_C.1
  Bottom Layer w0.2: v2(-9.25,-5.75) v2(1.75,-5.75)
pads on no net: U1.4 U1.25 U1.38 U1.40 U1.41 U2_A.4 U2_B.4 U2_C.4 U4.1 U4.2 U4.3 U4.4 U4.5 U4.6 U4.7 U4.12 U4.14 U4.15 U4.16 U4.17 U4.19 U4.21 U4.22 U8.6 U9.6 U11.5 U11.8 USB1.3 USB1.9 XH6.4

## Polygon pours and split planes (outlines as drawn)
GND on Top Layer "NONET_L01_P-001" (solid, pour order 16): -46.75,10.75 32,10.75 32,-29.75 -46.75,-29.75
+100V on Top Layer "NONET_L01_P-001" (solid, pour order 14): -29.3,-24.6 -29.3,-28.3 -22.4,-28.3 -22.4,-24.4 -24.594,-24.4 -24.594,-27.2 -26.7,-27.2 -26.7,-24.6
+5V on Top Layer "NONET_L01_P-001" (solid, pour order 1): 6.25,-21.25 10.25,-21.25 10.25,-25 13.5,-25 13.5,-25.5 16.359,-25.5 16.359,-23.75 15,-22 15,-17.75 2.75,-17.75 2.75,-21.25
+12V on Top Layer "NONET_L01_P-001" (solid, pour order 13): -38.4,-17.1 -38.4,-18.8 -34.9,-18.8 -34.9,-17.1
+12V on Top Layer "NONET_L01_P-001" (solid, pour order 12): -5.8,-17.1 -5.8,-18.8 -2.3,-18.8 -2.3,-17.1
GND on Top Layer "NONET_L01_P-001" (solid, pour order 11): -45.05,-17.95 -44.15,-17.15 -40.95,-17.15 -40.95,-15.85 -44.25,-15.85 -45.05,-15.05 -45.75,-15.05 -45.75,-17.95
GND on Top Layer "NONET_L01_P-001" (solid, pour order 10): -12.4,-17.9 -11.5,-17.1 -8.3,-17.1 -8.3,-15.8 -11.6,-15.8 -12.4,-15 -13.1,-15 -13.1,-17.9
GND on Top Layer "NONET_L01_P-001" (solid, pour order 9): 20.1,-17.9 21,-17.1 24.2,-17.1 24.2,-15.8 20.9,-15.8 20.1,-15 19.4,-15 19.4,-17.9
+12V on Top Layer "NONET_L01_P-001" (solid, pour order 8): 26.7,-17.1 26.7,-18.8 30.2,-18.8 30.2,-17.1
SW_1 on Top Layer "NONET_L01_P-001" (solid, pour order 7): -27.5,-19.5 -27.5,-17.75 -29,-16.25 -29,-13 -26.75,-13 -26.75,-16 -25,-17.75 -25,-20.25 -25.75,-20.25 -26.5,-19.5
GND on Top Layer "NONET_L01_P-001" (solid, pour order 6): -29.25,-23.25 -25.5,-23.25 -22,-23.25 -22,-21.5 -29.25,-21.5
+12V on Top Layer "NONET_L01_P-001" (solid, pour order 5): 4.5,-25.4 4.5,-29.1 7.3,-29.1 7.3,-27 7,-26.7 7,-22.5 1.8,-22.5 1.8,-25.4
SW_2 on Top Layer "NONET_L01_P-001" (solid, pour order 4): 8.1,-25.7 11.4,-25.7 11.4,-29 8.1,-29
GND on Top Layer "NONET_L01_P-001" (solid, pour order 2): 2.75,-17.75 10.7,-17.75 10.7,-13 9.2,-13 9.2,-14.75 2.75,-14.75
+3V3 on Top Layer "NONET_L01_P-001" (solid, pour order 0): 14.5,-15.75 14.5,-19.5 9.75,-19.5 8.5,-18.25 6.25,-18.25 6.25,-17.25 10.7,-17.25 10.7,-13.1 14.5,-13.1
GND on Bottom Layer "NONET_L01_P-001" (solid, pour order 15): -46.75,10.75 32,10.75 32,-29.75 -46.75,-29.75
+3V3 on Int2 (PWR) (split plane): 19.898,6.5 19.906,6.461 19.928,6.428 20.928,5.428 20.961,5.406 21,5.398 23.708,5.398 24.398,4.708 24.398,-1.25 24.398,-6.699 13.175,-17.922 10,-21.106 8.822,-19.928 5.072,-16.178 5.039,-16.156 5,-16.148 -15.208,-16.148 -19.428,-11.928 -19.461,-11.906 -19.5,-11.898 -24.75,-11.898 -24.789,-11.906 -24.822,-11.928 -29.042,-16.148 -38.25,-16.148 -38.289,-16.156 -38.322,-16.178 -39.322,-17.178 -39.344,-17.211 -39.352,-17.25 -39.352,-20 -39.344,-20.039 -39.322,-20.072 -38.322,-21.072 -38.289,-21.094 -38.25,-21.102 -24.042,-21.102 -21.322,-23.822 -21.289,-23.844 -21.25,-23.852 -17,-23.852 -16.961,-23.844 -16.928,-23.822 -14.208,-21.102 -2.042,-21.102 -0.352,-22.792 -0.352,-25.5 -0.344,-25.539 -0.322,-25.572 3.345,-29.24 -46.24,-29.24 -46.24,10.24 19.898,10.24
+12V on Int2 (PWR) (split plane): 31.49,-29.24 3.634,-29.24 -0.148,-25.458 -0.148,-22.75 -0.156,-22.711 -0.178,-22.678 -1.928,-20.928 -1.961,-20.906 -2,-20.898 -14.25,-20.898 -14.289,-20.906 -14.322,-20.928 -17.042,-23.648 -21.208,-23.648 -23.928,-20.928 -23.961,-20.906 -24,-20.898 -38.208,-20.898 -39.148,-19.958 -39.148,-17.292 -38.208,-16.352 -29,-16.352 -28.961,-16.344 -28.928,-16.322 -24.708,-12.102 -19.542,-12.102 -15.322,-16.322 -15.289,-16.344 -15.25,-16.352 4.958,-16.352 8.678,-20.072 11.178,-22.572 11.211,-22.594 11.25,-22.602 16.187,-22.602 16.227,-22.594 16.26,-22.572 18.76,-20.072 31.49,-7.342
+5V on Int2 (PWR) (split plane): 31.49,-7.054 18.615,-19.928 16.145,-22.398 11.292,-22.398 10.144,-21.25 13.32,-18.066 24.572,-6.814 24.594,-6.781 24.602,-6.742 24.602,-1.25 24.602,4.75 24.594,4.789 24.572,4.822 23.822,5.572 23.789,5.594 23.75,5.602 21.042,5.602 20.102,6.542 20.102,10.24 31.49,10.24
GND on Int1 (GND) (split plane): 31.49,-29.24 -46.24,-29.24 -46.24,10.24 31.49,10.24

## Other copper
Int2 (PWR) (plane layer: these items are gaps in the copper):
  lines w0.2: -19.75,-23.75 -21.25,-23.75 ; 4,-29.75 -0.25,-25.5 -0.25,-22.75 -2,-21 -14.25,-21 -17,-23.75 -21.25,-23.75 ; 10,-21.25 13.247,-17.994 24.5,-6.742 24.5,-1.25 24.5,4.75 23.75,5.5 21,5.5 20,6.5 20,10.75 ; 32,-6.687 18.687,-20 16.187,-22.5 11.25,-22.5 8.75,-20 5,-16.25 -15.25,-16.25 -19.5,-12 -24.75,-12 -29,-16.25 -38.25,-16.25 -39.25,-17.25 -39.25,-20 -38.25,-21 -24,-21 -21.25,-23.75

## Silkscreen, mask and mechanical layers (free items; w line width, h text height)
Top Overlay:
  text "C" at 30.55,-9.6 h0.75
  text "B" at -20.913,-26.291 h0.75
Dimensions:
  lines w0.1: -108,-99 96.25,-99 96.25,90.25 -108,90.25 -108,-99 ; -46.75,-29.75 32,-29.75 32,10.75 -46.75,10.75 -46.75,-29.75

## Text inside footprints (layer, text, board x,y; h text height)
XH5: Top Overlay "1" at -38.156,-1.68 h0.75 r270
XH6: Top Overlay "1" at 25.85,-3.9 h0.75 r180
XH7: Top Overlay "1" at -40.85,7.9 h0.75